# Altium PCB SFPP.PcbDoc (part 2 of 4) (continued)
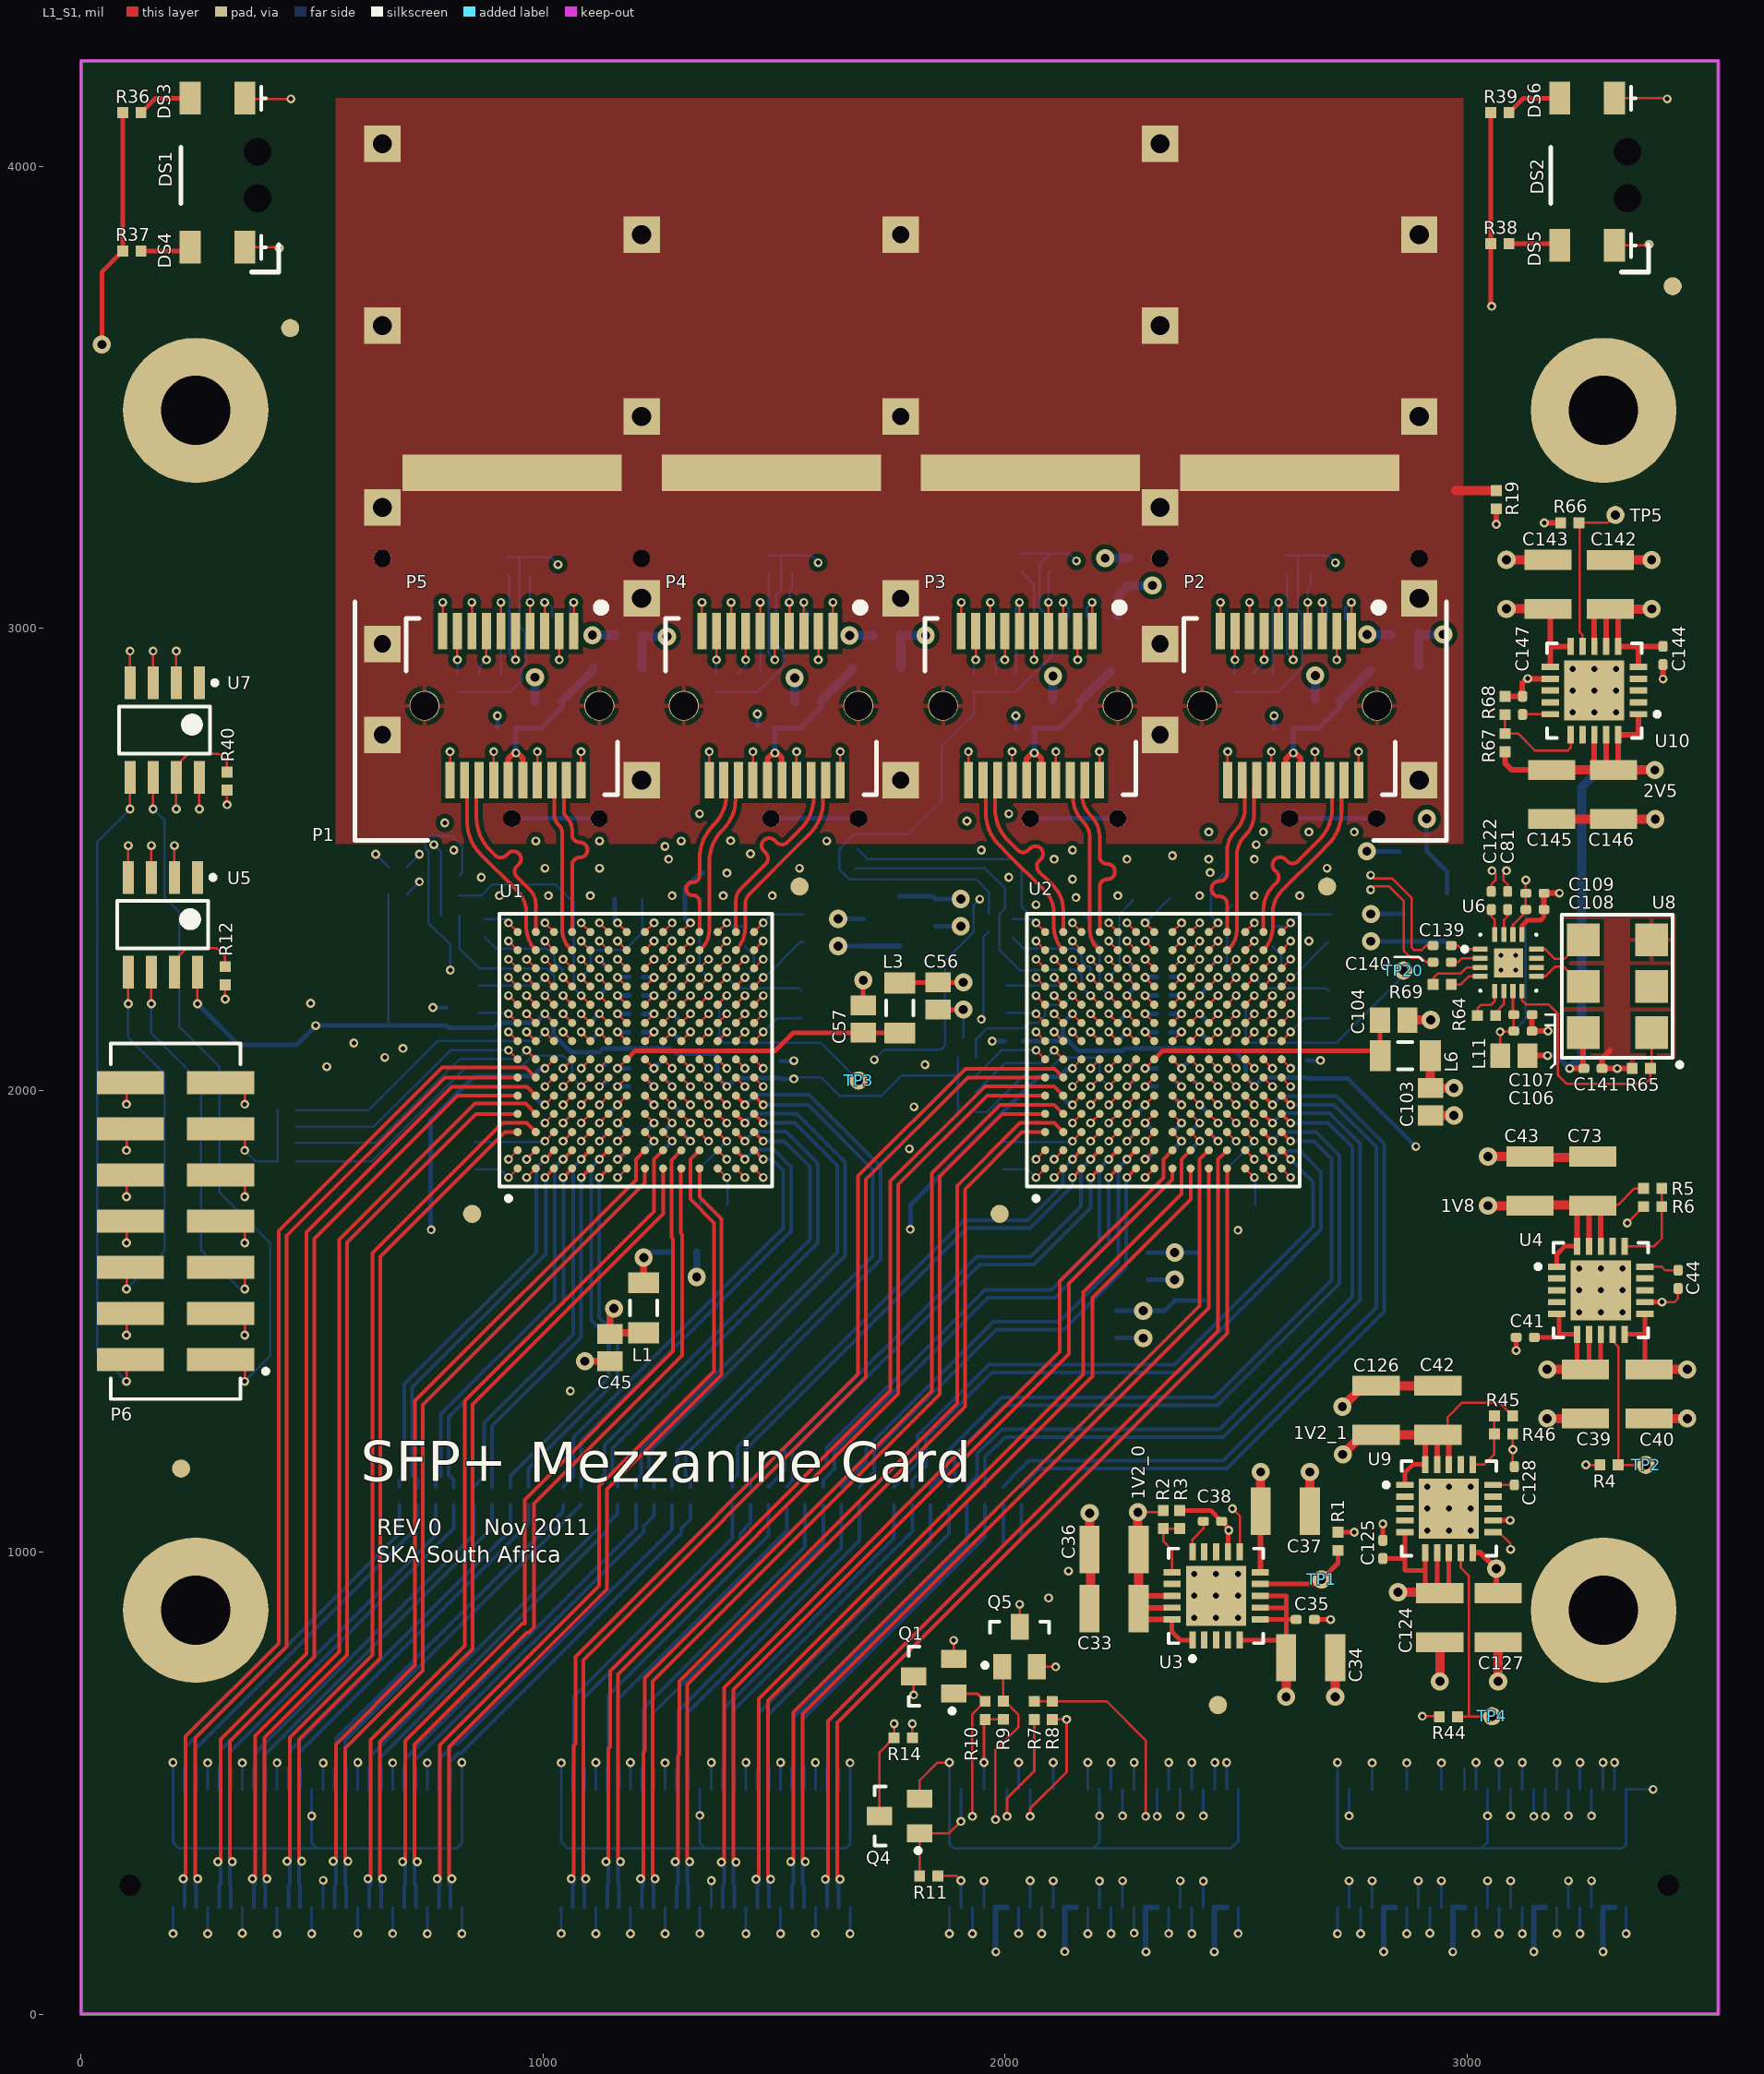
[diagram p0: L1_S1 view]
## Nets (pads, with @x,y where several pads share a name; then routed paths per layer and width w, separated by ;. In a path a pad name is that pad's centre, name@x,y a point inside that pad or via, vN(x,y) a via of type N, cw(c..) or ccw(c..) an arc to the next point about the centre after c; other vN are vias at no path point) (continued)
  L8_S4 w6: v3(199,545) 199.29,544.71 J1.AG11@199.29,486.5 199.29,371.71 212,359 J1.AGND@511,359 ; v3(199.29,174.71) J1.AG1@199.29,231.5 ; v3(274.29,174.29) J1.AG2@274.29,231.5 ; J1.AG12@274.29,486.5 v3(274.29,544.29) ; v3(349.29,175.29) J1.AG3@349.29,231.5 ; J1.AG13@349.29,486.5 v3(349.29,544.29) ; v3(424.29,174.29) J1.AG4@424.29,231.5 ; J1.AG14@424.29,486.5 v3(424.29,544.29) ; v3(499.29,174.29) J1.AG5@499.29,231.5 ; J1.AG15@499.29,486.5 v3(499.29,429) 499.29,370.71 J1.AGND@511,359 ; J1.AG6@524.29,231.5 v3(524.29,289.71) ; J1.AG16@524.29,486.5 v3(524.29,543.71) ; v3(599.29,174.71) J1.AG7@599.29,231.5 ; J1.AG17@599.29,486.5 v3(599.29,544.71) ; v3(674.29,174.71) J1.AG8@674.29,231.5 ; J1.AG18@674.29,486.5 v3(674.29,544.29) ; v3(749.29,174.29) J1.AG9@749.29,231.5 ; J1.AG19@749.29,486.5 v3(749.29,544.29) ; v3(824.29,174.29) J1.AG10@824.29,231.5 ; v3(824.29,544.71) J1.AG20@824.29,486.5 824.29,370.29 813,359 J1.AGND@511,359 ; v3(1039.29,174.71) J1.BG1@1039.29,231.5 ; v3(1039.29,544.29) J1.BG11@1039.29,486.5 1039.29,372.71 1053,359 J1.BGND@1351,359 ; v3(1114.29,174.29) J1.BG2@1114.29,231.5 ; J1.BG12@1114.29,486.5 v3(1114.29,544.71) ; v3(1189.29,174.29) J1.BG3@1189.29,231.5 ; J1.BG13@1189.29,486.5 v3(1189.29,544.71) ; v3(1264.29,174.29) J1.BG4@1264.29,231.5 ; J1.BG14@1264.29,486.5 v3(1264.29,544.29) ; v3(1339.29,174.71) J1.BG5@1339.29,231.5 ; J1.BG15@1339.29,486.5 v3(1339.29,430.29) 1339.29,370.71 J1.BGND@1351,359 ; J1.BG6@1364.29,231.5 v3(1364.29,289.29) ; J1.BG16@1364.29,486.5 v3(1364.29,544.71) ; v3(1439.29,174.29) J1.BG7@1439.29,231.5 ; J1.BG17@1439.29,486.5 v3(1439.29,544.71) ; v3(1514.29,174.29) J1.BG8@1514.29,231.5 ; J1.BG18@1514.29,486.5 v3(1514.29,544.71) ; v3(1589.29,174.71) J1.BG9@1589.29,231.5 ; J1.BG19@1589.29,486.5 v3(1589.29,544.71) ; R34.1@1618.11,3027.56 1627.44,3036.89 v2(1627.44,3055.71) ; v3(1664.29,174.29) J1.BG10@1664.29,231.5 ; v3(1664.29,544.29) J1.BG20@1664.29,486.5 1664.29,368.29 1655,359 J1.BGND@1351,359 ; v3(1879.29,174.29) J1.CG1@1879.29,231.5 ; v3(1879.29,544.71) J1.CG11@1879.29,486.5 1879.29,368.71 1889,359 J1.CGND@2191,359 ; J1.CGND@1898,359 J1.CGND@2191,359 ; J1.C1@1904.29,231.5 v3(1904.29,289.29) ; v3(1929.29,174.29) J1.C2@1929.29,231.5 ; J1.CG2@1954.29,231.5 v3(1954.29,288.71) ; J1.CG12@1954.29,486.5 v3(1954.29,544.71) ; v3(2029.29,174.71) J1.CG3@2029.29,231.5 ; J1.CG13@2029.29,486.5 v3(2029.29,544.71) ; J1.C5@2054.29,231.5 v3(2054.29,289.29) ; v3(2079.29,174.29) J1.C6@2079.29,231.5 ; J1.CG4@2104.29,231.5 v3(2104.29,288.71) ; J1.CG14@2104.29,486.5 v3(2104.29,544.71) ; R26.1@2177.17,3023.62 2177.17,3044.41 v2(2188.46,3055.71) ; v3(2179.29,174.29) J1.CG5@2179.29,231.5 ; J1.CG15@2179.29,486.5 v3(2179.29,544.71) ; J1.CG6@2204.29,231.5 v3(2204.29,288.29) ; J1.CG16@2204.29,486.5 v3(2204.29,429.29) 2204.29,372.29 J1.CGND@2191,359 ; v3(2229.29,174.29) J1.C9@2229.29,231.5 ; J1.C25@2229.29,486.5 v3(2229.29,544.71) ; J1.C10@2254.29,231.5 v3(2254.29,288.71) ; v3(2254.29,429.29) J1.C26@2254.29,486.5 ; v3(2279.29,175.71) J1.CG7@2279.29,231.5 ; J1.CG17@2279.29,486.5 v3(2279.29,544.71) ; v3(2354.29,174.71) J1.CG8@2354.29,231.5 ; J1.CG18@2354.29,486.5 v3(2354.29,544.71) ; J1.C13@2379.29,231.5 v3(2379.29,288.71) ; v3(2379.29,429.29) J1.C29@2379.29,486.5 ; v3(2404.29,174.29) J1.C14@2404.29,231.5 ; J1.C30@2404.29,486.5 v3(2404.29,544.71) ; J1.CG9@2429.29,231.5 v3(2429.29,288.29) ; v3(2429.29,429.29) J1.CG19@2429.29,486.5 ; v3(2504.29,174.71) J1.CG10@2504.29,231.5 ; J1.CG20@2504.29,486.5 2504.29,374.29 2489,359 J1.CGND@2191,359 ; v3(2719.29,174.29) J1.DG1@2719.29,231.5 ; v3(2719.29,544.71) J1.DG11@2719.29,486.5 2719.29,372.71 2733,359 J1.DGND@3031,359 ; R27.1@2736.22,3019.69 2736.22,3042.44 v2(2749.48,3055.71) ; J1.D1@2744.29,231.5 v3(2744.29,288.71) ; v3(2769.29,174.29) J1.D2@2769.29,231.5 ; J1.DG2@2794.29,231.5 v3(2794.29,288.71) ; J1.DG12@2794.29,486.5 v3(2794.29,544.29) ; v3(2869.29,174.29) J1.DG3@2869.29,231.5 ; J1.DG13@2869.29,486.5 v3(2869.29,544.29) ; J1.D5@2894.29,231.5 v3(2894.29,288.71) ; v3(2919.29,175.29) J1.D6@2919.29,231.5 ; J1.DG4@2944.29,231.5 v3(2944.29,288.71) ; J1.DG14@2944.29,486.5 v3(2944.29,544.29) ; v3(3019.29,174.71) J1.DG5@3019.29,231.5 ; J1.DG15@3019.29,486.5 v3(3019.29,544.71) ; J1.DG6@3044.29,231.5 v3(3044.29,288.71) ; J1.DG16@3044.29,486.5 v3(3044.29,429.29) 3044.29,372.29 J1.DGND@3031,359 ; v3(3069.29,174.29) J1.D9@3069.29,231.5 ; J1.D25@3069.29,486.5 v3(3069.29,544.71) ; J1.D10@3094.29,231.5 v3(3094.29,288.71) ; v3(3094.29,429.29) J1.D26@3094.29,486.5 ; v3(3119.29,174.29) J1.DG7@3119.29,231.5 ; J1.DG17@3119.29,486.5 v3(3119.29,544.71) ; v3(3194.29,174.71) J1.DG8@3194.29,231.5 ; J1.DG18@3194.29,486.5 v3(3194.29,544.71) ; J1.D13@3219.29,231.5 v3(3219.29,288.71) ; v3(3219.29,429.29) J1.D29@3219.29,486.5 ; v3(3244.29,174.29) J1.D14@3244.29,231.5 ; J1.D30@3244.29,486.5 v3(3244.29,544.71) ; J1.DG9@3269.29,231.5 v3(3269.29,288.71) ; v3(3269.29,429.29) J1.DG19@3269.29,486.5 ; v3(3344.29,174.29) J1.DG10@3344.29,231.5 ; v3(3402.5,486.5) J1.DG20@3344.29,486.5 3344.29,367.29 3336,359 J1.DGND@3031,359
  L8_S4 w8: v1(761.6,2179.29) C70.1@790.38,2179.29
  L8_S4 w10: C82.1@901.57,2783.46 v3@901.57,2813.07 ; C60.1@977.27,1990.32 v1@999.08,1968.51 ; C50.1@1102,2106.32 1102.38,2106.32 v1(1122.05,2125.99) ; v1(1122.05,1889.76) 1142,1909.72 C63.1@1142,1910.32 ; v1(1122.05,2007.87) 1124.56,2007.87 C66.1@1141,2024.32 ; v1(1122.05,2283.47) 1122.05,2281.64 C49.1@1141,2262.68 ; C75.2@1155.51,2413.39 1155.51,2368.11 v1(1161.42,2362.21) ; v1(1161.42,1850.39) 1164.08,1850.39 C64.1@1183,1869.32 ; v1(1161.42,2007.87) 1161.86,2008.32 C59.1@1186,2008.32 ; v1(1161.42,2125.99) 1162.09,2125.32 C67.1@1186,2125.32 ; v1(1161.42,2244.1) 1162.01,2244.68 C114.1@1187,2244.68 ; C65.1@1216,2125.32 1239.49,2125.32 v1(1240.16,2125.99) ; C111.1@1216,2244.68 1239.57,2244.68 v1(1240.16,2244.1) ; C54.1@1220,1869.32 1240.16,1889.47 v1(1240.16,1889.76) ; C55.1@1220,2028.03 v1(1240.16,2007.87) v1@1239.6,2007.32 ; C110.1@1260,1870.32 C110.1@1260.08,1870.32 v1(1279.53,1889.76) ; C53.1@1260.32,2028.03 1279.53,2008.82 v1(1279.53,2007.87) ; v1(1279.53,2125.99) 1279.53,2125.79 C52.1@1299,2106.32 ; C68.1@1299,1909.32 1318.55,1889.76 v1(1318.9,1889.76) ; C51.1@1299,2264.68 1300.12,2264.68 v1(1318.9,2283.47) ; v1(1318.9,2362.21) 1307.09,2374.02 1307.09,2437.01 1340.55,2470.47 C74.2@1346.46,2470.47 ; C136.1@1464.57,2787.4 v3@1464.57,2817 ; C69.1@1515,2063.68 v3@1542.68,2063.68 ; v4(1638.71,2370.99) C48.1@1693.43,2370.99 ; C47.1@1849.43,2354.94 v4(1904.14,2354.94) ; v3@1972.31,2106.3 C93.1@2000,2106.3 ; C85.1@2023.62,2783.46 v3@2023.62,2813.07 ; C91.1@2119,1990.32 2140.81,1968.5 v1(2145.67,1968.5) ; C58.1@2241,1463.47 v4(2298.89,1463.47) ; C96.1@2243.73,2106.32 2244.11,2106.32 v1(2263.78,2125.99) ; v1(2263.78,1889.76) 2283.73,1909.72 C62.1@2283.73,1910.32 ; v1(2263.78,2007.87) 2266.29,2007.87 C90.1@2282.73,2024.32 ; v1(2263.78,2283.47) 2263.78,2281.64 C97.1@2282.73,2262.68 ; v1(2303.15,1850.39) 2305.81,1850.39 C86.1@2324.73,1869.32 ; v1(2303.15,2007.87) 2303.59,2008.32 C105.1@2327.73,2008.32 ; v1(2303.15,2244.1) 2303.74,2244.68 C98.1@2328.73,2244.68 ; v1@2303.82,2125.32 C87.1@2327.73,2125.32 ; C61.1@2308.87,1589.96 v4(2366.76,1589.96) ; C88.1@2357.73,2125.32 v1@2381.22,2125.32 ; C130.1@2357.73,2244.68 2381.3,2244.68 v1(2381.89,2244.1) ; C101.1@2361.73,1869.32 2381.89,1889.47 v1(2381.89,1889.76) ; C100.1@2364.33,2024.32 v1@2380.77,2007.87 ; v1@2381.33,2007.32 v1(2381.89,2007.87) ; C89.1@2401.73,1870.32 2401.81,1870.32 v1(2421.26,1889.76) ; C102.1@2401.82,2027.32 v1(2421.26,2007.87) ; v1(2421.26,2125.99) 2421.26,2125.79 C131.1@2440.73,2106.32 ; C129.1@2440.73,1909.32 2460.28,1889.76 v1(2460.63,1889.76) ; C99.1@2440.73,2264.68 2441.85,2264.68 v1(2460.63,2283.47) ; C133.1@2582.68,2783.46 v3@2582.68,2813.07 ; C92.1@2654.46,2064.4 v3@2682.14,2064.4 ; v4(2782.86,2517.2) C94.1@2853.47,2517.2 ; v4(2791.75,2381.48) C95.1@2862.36,2381.48
  L8_S4 w15: v4@1332.76,1595.55 C46.1@1332.76,1650
  L8_S4 w20: C83.1@982.28,2842.52 v6(982.28,2893.7) ; v6(1106.82,2985) C84.1@1158,2985 ; C137.1@1544.56,2841.1 v6(1544.56,2892.28) ; v6(1663.39,2984.25) C138.1@1714.57,2984.25 ; C123.1@2103.61,2845.04 v6(2103.61,2896.22) ; v6(2216.54,3151.57) C132.1@2267.72,3151.57 ; C134.1@2671.26,2846.46 v6(2671.26,2897.64) ; v9(2783.78,2986.56) C135.1@2834.96,2986.56
  other v1: 2066.93,2401.57 2153.54,2417.32 905.51,2421.26 1011.81,2421.26 1102.36,2421.26 1279.53,2421.26 1389.76,2421.26 1496.06,2421.26 2244.09,2421.26 2421.26,2421.26 2539.37,2421.26 2637.8,2421.26 866.14,2460.63 2007.87,2460.63 1398,2470 1003.94,2480.32 1122.05,2480.32 1555.12,2480.32 2696.85,2480.32 2106.3,2500 2263.78,2500 2440.94,2500 2539.37,2500 1448.82,2511.81 807.09,2519.68 1948.82,2519.68 2145.67,2519.68 984.25,2539.37 1122.05,2539.37 1299.21,2539.37 1614.17,2539.37 1406,2540 2440.94,2559.06 2559.06,2559.06 2657.48,2559.06 2755.91,2559.06 787.4,2578.74 1917.32,2582.68 1338.58,2598.43 2007.87,2598.43
  other v2: 3099,1222 3131,2891
  other v3: 2682.46,2064.72 1972,2105.98 901.06,2810.58 2023.11,2810.58 2582.16,2810.58 1464.05,2814.52
  other v4: 1090.55,1413.39 1332.67,1595.55
  other v5: 2409.45,858.27 2456.69,858.27 2503.94,858.27 2409.45,905.51 2456.69,905.51 2503.94,905.51 2409.45,952.76 2456.69,952.76 2503.94,952.76 2913.39,1047.24 2960.63,1047.24 3007.87,1047.24 2913.39,1094.49 2960.63,1094.49 3007.87,1094.49 2913.39,1141.73 2960.63,1141.73 3007.87,1141.73 3242.13,1519.69 3289.37,1519.69 3336.61,1519.69 3242.13,1566.93 3289.37,1566.93 3336.61,1566.93 3242.13,1614.17 3289.37,1614.17 3336.61,1614.17 3228.07,2817.76 3275.32,2817.76 3322.56,2817.76 3228.07,2865 3275.32,2865 3322.56,2865 3228.07,2912.24 3275.32,2912.24 3322.56,2912.24
  other v7: 3073.5,2260 3105,2260 3073.5,2291.5 3105,2291.5
  other v10: 2484.25,1047.24
LED_LINK0: DS3.1 U1.D5 | length 2817.1
  L1_S1 w5: DS3.1@354.33,4147.24 355.91,4145.67 v2(454.33,4145.67) ; v1(1043.31,1968.5) U1.D5@1062.99,1988.19
  L3_S2 w3.94: 781.03,1948.82 1023.62,1948.82 v1(1043.31,1968.5)
  L3_S2 w5: v2(532,2051) 550,2033 696.85,2033 781.03,1948.82
  L6_S3 w5: v2(454.33,4145.67) 532,4068 v2(532,2051)
LED_LINK1: DS4.1 U1.K5 | length 2705.8
  L1_S1 w5: DS4.1@354.33,3824.41 427.56,3824.41 v2(429.13,3822.83) ; U1.K5@1299.21,1988.19 v1(1318.9,1968.5)
  L3_S2 w5: v2(497,2188) 515,2170 745.15,2170 847.15,2068 1175.61,2068 1201,2042.61 1201,1997 1211,1987 1300.4,1987 v1(1318.9,1968.5)
  L6_S3 w5: v2(429.13,3822.83) 497,3754.97 v2(497,2188)
LED_LINK2: DS5.1 U2.D5 | length 3318
  L1_S1 w5: v1(2185.04,1968.5) U2.D5@2204.72,1988.19 ; DS5.1@3318.9,3828.35 3391.34,3828.35 v2(3393.7,3830.71)
  L3_S2 w5: v1(2145.67,2456.69) 2432.57,2456.69 2436.46,2452.8 2451.54,2452.8 2480.54,2481.8 2546.91,2481.8 2563.62,2498.51 2704.39,2498.51 2713.88,2489.02 3013.02,2489.02 3056,2532 3441,2532 3467,2558 3467,3757.41 v2(3393.7,3830.71)
  L6_S3 w5: v1(2145.67,2456.69) 2125.98,2437.01 2125.98,2000 2137.98,1988 2165.54,1988 v1(2185.04,1968.5)
LED_LINK3: DS6.1 U2.K5 | length 3440.2
  L1_S1 w5: U2.K5@2440.94,1988.19 v1(2460.63,1968.5) ; DS6.1@3318.9,4147.24 3431.5,4147.24 v2(3433.07,4145.67)
  L3_S2 w5: v1(2460.63,1968.5) 2480.13,1988 2842,1988 2928,1902 3434,1902 3478,1946 3478,2458.31 3478,4100.74 v2(3433.07,4145.67)
MDIO_MODE_EN: J1.C17 Q4.1 R11.2 | length 250.6
  L1_S1 w5: R11.2@1814.96,299.21 Q4.1@1814.96,391.73 1878.73,391.73 v1(1904.29,417.29)
  L8_S4 w6: 1904.29,428.29 J1.C17@1904.29,486.5
MGT_RX_N0: J1.A7 U1.B3 | length 1974.2
  L1_S1 w8: v3(446.09,331) 451.69,336.6 451.69,598.73 631,778.04 631,1647.91 912.23,1929.13 964.57,1929.13 U1.B3@984.25,1909.45
  L8_S4 w8: v3(446.09,331) 451.69,325.4 451.69,280.74 449.29,278.34 J1.A7@449.29,231.5
MGT_RX_N1: J1.A5 U1.B4 | length 2082.9
  L1_S1 w8: v3(371.09,293) 376.69,298.6 376.69,602.73 559,785.04 559,1677.11 852.89,1971 962.07,1971 U1.B4@984.25,1948.82
  L8_S4 w8: v3(371.09,293) 376.69,287.4 376.69,280.74 374.29,278.34 J1.A5@374.29,231.5
MGT_RX_N2: J1.A3 U1.B5 | length 2178.3
  L1_S1 w8: v3(296.09,330) 301.69,335.6 301.69,594.73 488,781.04 488,1692.72 802.28,2007 965.44,2007 U1.B5@984.25,1988.19
  L8_S4 w8: v3(296.09,330) 301.69,324.4 301.69,280.74 299.29,278.34 J1.A3@299.29,231.5
MGT_RX_N3: J1.A1 U1.B6 | length 2270.3
  L1_S1 w8: v3@226.69,293 v3(221.09,293) 226.69,298.6 226.69,601.73 428,803.04 428,1695.72 781.28,2049 962.81,2049 U1.B6@984.25,2027.56
  L8_S4 w8: v3(221.09,293) 226.69,287.4 226.69,280.74 224.29,278.34 J1.A1@224.29,231.5
MGT_RX_N4: J1.A15 U1.L2 | length 1919.4
  L1_S1 w8: v3(771.09,293) 776.69,298.6 776.69,582.73 1121,927.04 1121,1143.04 1370.08,1392.12 1370.08,1712.92 1318.9,1764.1 1318.9,1850.39 U1.L2@1338.58,1870.08
  L8_S4 w8: v3(771.09,293) 776.69,287.4 776.69,280.74 774.29,278.34 J1.A15@774.29,231.5
MGT_RX_N5: J1.A13 U1.K2 | length 1905.7
  L1_S1 w8: v3(696.09,330) 701.69,335.6 701.69,591.97 955.76,846.04 960,846.04 960,1113.54 1281,1434.54 1281,1679 ; 1281,1670 1281,1679 ; U1.K2@1299.21,1870.08 1278,1848.87 1278,1682 1281,1679
  L8_S4 w8: v3(696.09,330) 701.69,324.4 701.69,280.74 699.29,278.34 J1.A13@699.29,231.5
MGT_RX_N6: J1.A11 U1.J2 | length 1906.5
  L1_S1 w8: v3(621.09,293) 626.69,298.6 626.69,593.73 831,798.04 831,1328.11 1240.16,1737.27 1240.16,1850.39 U1.J2@1259.84,1870.08
  L8_S4 w8: v3(621.09,293) 626.69,287.4 626.69,280.74 624.29,278.34 J1.A11@624.29,231.5
MGT_RX_N7: J1.A9 U1.H2 | length 1921.2
  L1_S1 w8: v3(546.09,331) 551.69,336.6 551.69,584.02 723,755.34 723,1328 1200.79,1805.79 1200.79,1850.39 U1.H2@1220.47,1870.08
  L8_S4 w8: v3(546.09,331) 551.69,325.4 551.69,280.74 549.29,278.34 J1.A9@549.29,231.5
MGT_RX_N8: J1.B7 U2.B3 | length 2112
  L1_S1 w8: v3(1286.09,330) 1291.69,335.6 1291.69,559.25 1294.89,562.45 1294.89,720.93 1896,1322.04 1896,1793.04 2032.09,1929.13 2106.3,1929.13 U2.B3@2125.98,1909.45
  L8_S4 w8: v3(1286.09,330) 1291.69,324.4 1291.69,280.74 1289.29,278.34 J1.B7@1289.29,231.5
MGT_RX_N9: J1.B5 U2.B4 | length 2213
  L1_S1 w8: v3@1216.69,293 v3(1211.09,293) 1216.69,298.6 1216.69,566.84 1219.89,570.04 1219.89,727.93 1841,1349.04 1841,1820.04 1989.46,1968.5 2106.3,1968.5 U2.B4@2125.98,1948.82
  L8_S4 w8: v3(1211.09,293) 1216.69,287.4 1216.69,280.74 1214.29,278.34 J1.B5@1214.29,231.5
MGT_RX_N10: J1.B3 U2.B5 | length 2297
  L1_S1 w8: v3(1136.09,330) 1141.69,335.6 1141.69,574.43 1144.89,577.63 1144.89,742.93 1752,1350.04 1752,1803.04 1956.83,2007.87 2106.3,2007.87 U2.B5@2125.98,1988.19
  L8_S4 w8: v3(1136.09,330) 1141.69,324.4 1141.69,280.74 1139.29,278.34 J1.B3@1139.29,231.5
MGT_RX_N11: J1.B1 U2.B6 | length 2390.8
  L1_S1 w8: v3(1061.09,293) 1066.69,298.6 1066.69,582.02 1069.89,585.22 1069.89,773.93 1682,1386.04 1682,1814.04 1913.98,2046.02 2107.52,2046.02 U2.B6@2125.98,2027.56
  L8_S4 w8: v3(1061.09,293) 1066.69,287.4 1066.69,280.74 1064.29,278.34 J1.B1@1064.29,231.5
MGT_RX_N12: J1.B15 U2.L2 | length 2001.9
  L1_S1 w8: v3(1611.09,292) 1616.69,297.6 1616.69,634.73 2460.63,1478.67 2460.63,1850.39 U2.L2@2480.31,1870.08
  L8_S4 w8: v3(1611.09,292) 1616.69,286.4 1616.69,280.74 1614.29,278.34 J1.B15@1614.29,231.5
MGT_RX_N13: J1.B13 U2.K2 | length 2016.7
  L1_S1 w8: v3(1536.09,330) 1541.69,335.6 1541.69,653.73 2421.26,1533.3 2421.26,1850.39 U2.K2@2440.94,1870.08
  L8_S4 w8: v3(1536.09,330) 1541.69,324.4 1541.69,280.74 1539.29,278.34 J1.B13@1539.29,231.5
MGT_RX_N14: J1.B11 U2.J2 | length 2037.1
  L1_S1 w8: v3@1466.69,292 v3(1461.09,292) 1466.69,297.6 1466.69,682.73 2169.29,1385.33 2169.29,1562.99 2381.89,1775.59 2381.89,1850.39 U2.J2@2401.57,1870.08
  L8_S4 w8: v3(1461.09,292) 1466.69,286.4 1466.69,280.74 1464.29,278.34 J1.B11@1464.29,231.5
MGT_RX_N15: J1.B9 U2.H2 | length 2051.8
  L1_S1 w8: v3@1391.69,329 v3(1386.09,329) 1391.69,334.6 1391.69,706.69 2118.5,1433.5 2118.5,1586.5 2342.52,1810.52 2342.52,1850.39 U2.H2@2362.2,1870.08
  L8_S4 w8: v3(1386.09,329) 1391.69,323.4 1391.69,280.74 1389.29,278.34 J1.B9@1389.29,231.5
MGT_RX_P0: J1.A8 U1.A3 | length 1895.6
  L1_S1 w8: v3(477.49,331) 471.89,336.6 471.89,594.89 648,771 648,1640.13 917.32,1909.45 U1.A3@944.88,1909.45
  L8_S4 w8: J1.A8@474.29,231.5 474.29,278.34 471.89,280.74 471.89,325.4 v3(477.49,331)
MGT_RX_P1: J1.A6 U1.A4 | length 2003
  L1_S1 w8: v3(402.49,293) 396.89,298.6 396.89,598.89 576,778 576,1670.49 854.33,1948.82 U1.A4@944.88,1948.82
  L8_S4 w8: J1.A6@399.29,231.5 399.29,278.34 396.89,280.74 396.89,287.4 v3(402.49,293)
MGT_RX_P2: J1.A4 U1.A5 | length 2096.5
  L1_S1 w8: v3(327.49,330) 321.89,335.6 321.89,590.89 505,774 505,1678.23 814.96,1988.19 U1.A5@944.88,1988.19
  L8_S4 w8: J1.A4@324.29,231.5 324.29,278.34 321.89,280.74 321.89,324.4 v3(327.49,330)
MGT_RX_P3: J1.A2 U1.A6 | length 2183.1
  L1_S1 w8: v3(252.49,293) 246.89,298.6 246.89,597.89 445,796 445,1685.16 787.4,2027.56 U1.A6@944.88,2027.56
  L8_S4 w8: J1.A2@249.29,231.5 249.29,278.34 246.89,280.74 246.89,287.4 v3(252.49,293)
MGT_RX_P4: J1.A16 U1.L1 | length 1868.4
  L1_S1 w8: v3(802.49,293) 796.89,298.6 796.89,578.89 1138,920 1138,1136 1385.83,1383.83 1385.83,1721.21 1338.58,1768.46 U1.L1@1338.58,1830.71
  L8_S4 w8: J1.A16@799.29,231.5 799.29,278.34 796.89,280.74 796.89,287.4 v3(802.49,293)
MGT_RX_P5: J1.A14 U1.K1 | length 1848.9
  L1_S1 w8: v3(727.49,330) 721.89,335.6 721.89,583.89 964.04,826.04 968.28,826.04 980,837.76 980,1105.26 1301,1426.26 1301,1687.28 1298,1690.28 1298,1829.5 U1.K1@1299.21,1830.71
  L8_S4 w8: J1.A14@724.29,231.5 724.29,278.34 721.89,280.74 721.89,324.4 v3(727.49,330)
MGT_RX_P6: J1.A12 U1.J1 | length 1858.7
  L1_S1 w8: v3(652.49,293) 646.89,298.6 646.89,589.89 848,791 848,1320.44 1259.84,1732.28 U1.J1@1259.84,1830.71
  L8_S4 w8: J1.A12@649.29,231.5 649.29,278.34 646.89,280.74 646.89,287.4 v3(652.49,293)
MGT_RX_P7: J1.A10 U1.H1 | length 1873.5
  L1_S1 w8: v3(577.49,331) 571.89,336.6 571.89,575.66 740,743.77 740,1319 1220.47,1799.47 U1.H1@1220.47,1830.71
  L8_S4 w8: J1.A10@574.29,231.5 574.29,278.34 571.89,280.74 571.89,325.4 v3(577.49,331)
MGT_RX_P8: J1.B8 U2.A3 | length 2033.9
  L1_S1 w8: v3(1317.49,330) 1311.89,335.6 1311.89,713.89 1913,1315 1913,1786 2036.45,1909.45 U2.A3@2086.61,1909.45
  L8_S4 w8: J1.B8@1314.29,231.5 1314.29,278.34 1311.89,280.74 1311.89,324.4 v3(1317.49,330)
MGT_RX_P9: J1.B6 U2.A4 | length 2129.3
  L1_S1 w8: v3(1242.49,293) 1236.89,298.6 1236.89,720.89 1858,1342 1858,1813 1993.82,1948.82 U2.A4@2086.61,1948.82
  L8_S4 w8: J1.B6@1239.29,231.5 1239.29,278.34 1236.89,280.74 1236.89,287.4 v3(1242.49,293)
MGT_RX_P10: J1.B4 U2.A5 | length 2218.8
  L1_S1 w8: v3(1167.49,330) 1161.89,335.6 1161.89,735.89 1769,1343 1769,1796 1961.19,1988.19 U2.A5@2086.61,1988.19
  L8_S4 w8: J1.B4@1164.29,231.5 1164.29,278.34 1161.89,280.74 1161.89,324.4 v3(1167.49,330)
MGT_RX_P11: J1.B2 U2.A6 | length 2313.7
  L1_S1 w8: v3(1092.49,293) 1086.89,298.6 1086.89,766.89 1699,1379 1699,1807 1919.56,2027.56 U2.A6@2086.61,2027.56
  L8_S4 w8: J1.B2@1089.29,231.5 1089.29,278.34 1086.89,280.74 1086.89,287.4 v3(1092.49,293)
MGT_RX_P12: J1.B16 U2.L1 | length 1954.2
  L1_S1 w8: v3(1642.49,292) 1636.89,297.6 1636.89,630.89 2480.31,1474.31 U2.L1@2480.31,1830.71
  L8_S4 w8: J1.B16@1639.29,231.5 1639.29,278.34 1636.89,280.74 1636.89,286.4 v3(1642.49,292)
MGT_RX_P13: J1.B14 U2.K1 | length 1969
  L1_S1 w8: v3(1567.49,330) 1561.89,335.6 1561.89,649.89 2440.94,1528.94 U2.K1@2440.94,1830.71
  L8_S4 w8: J1.B14@1564.29,231.5 1564.29,278.34 1561.89,280.74 1561.89,324.4 v3(1567.49,330)
MGT_RX_P14: J1.B12 U2.J1 | length 1983.7
  L1_S1 w8: v3(1492.49,292) 1486.89,297.6 1486.89,678.89 2188.98,1380.98 2188.98,1551.18 2401.57,1763.78 U2.J1@2401.57,1830.71
  L8_S4 w8: J1.B12@1489.29,231.5 1489.29,278.34 1486.89,280.74 1486.89,286.4 v3(1492.49,292)
MGT_RX_P15: J1.B10 U2.H1 | length 1998.5
  L1_S1 w8: v3(1417.49,329) 1411.89,334.6 1411.89,702.85 2137.8,1428.75 2137.8,1581.75 2362.2,1806.16 U2.H1@2362.2,1830.71
  L8_S4 w8: J1.B10@1414.29,231.5 1414.29,278.34 1411.89,280.74 1411.89,323.4 v3(1417.49,329)
MGT_TX_AC_N0: C7.1 U1.F2 | length 847.7
  L1_S1 w8: v1(1122.05,1850.39) U1.F2@1141.73,1870.08
  L8_S4 w8: C7.1@929.13,1141.73 929.13,1165.35 1141.73,1377.95 1141.73,1421.26 1141.73,1464.57 1104,1502.3 1104,1832.35 v1(1122.05,1850.39)
MGT_TX_AC_N1: C5.1 U1.E2 | length 832.7
  L1_S1 w8: v1(1082.68,1850.39) U1.E2@1102.36,1870.08
  L8_S4 w8: C5.1@850.39,1141.73 872.76,1164.1 872.76,1279.81 1065,1472.04 1065,1803.64 1064.98,1832.69 v1(1082.68,1850.39)
MGT_TX_AC_N2: C3.1 U1.D2 | length 851.8
  L1_S1 w8: v1(1043.31,1850.39) U1.D2@1062.99,1870.08
  L8_S4 w8: C3.1@767.72,1141.73 767.72,1156.34 778.9,1167.53 778.9,1299.04 1027,1547.14 1025.61,1548.53 1025.61,1832.69 v1(1043.31,1850.39)
MGT_TX_AC_N3: C1.1 U1.C2 | length 867
  L1_S1 w8: v1(1003.94,1850.39) U1.C2@1023.62,1870.08
  L8_S4 w8: C1.1@688.98,1141.73 688.98,1156.34 700.16,1167.53 700.16,1364.2 985,1649.04 985,1831.46 v1(1003.94,1850.39)
MGT_TX_AC_N4: C15.1 U1.P5 | length 1189.9
  L1_S1 w8: U1.P5@1456.69,1988.19 v1(1476.38,1968.5)
  L8_S4 w8: C15.1@1279.53,1141.73 1279.53,1156.34 1290.71,1167.53 1290.71,1217.04 1714,1640.33 1714,1828 1573.5,1968.5 v1(1476.38,1968.5)
MGT_TX_AC_N5: C13.1 U1.P4 | length 1102.6
  L1_S1 w8: U1.P4@1456.69,1948.82 v1(1476.38,1929.13)
  L8_S4 w8: C13.1@1200.79,1141.73 1200.79,1156.34 1211.97,1167.53 1211.97,1224.04 1637,1649.07 1637,1837 1544.87,1929.13 v1(1476.38,1929.13)
MGT_TX_AC_N6: C11.1 U1.P3 | length 1033.7
  L1_S1 w8: U1.P3@1456.69,1909.45 v1(1476.38,1889.76)
  L8_S4 w8: C11.1@1122.05,1141.73 1122.05,1156.34 1133.23,1167.53 1133.23,1232.27 1578,1677.04 1578,1834 1522.24,1889.76 v1(1476.38,1889.76)
MGT_TX_AC_N7: C9.1 U1.P2 | length 963.3
  L1_S1 w8: U1.P2@1456.69,1870.08 v1(1476.38,1850.39)
  L8_S4 w8: C9.1@1043.31,1141.73 1065.68,1164.1 1065.68,1247.72 1520,1702.04 1520,1826 1495.61,1850.39 v1(1476.38,1850.39)
MGT_TX_AC_N8: C23.1 U2.F2 | length 1076.3
  L1_S1 w8: v1(2263.78,1850.39) U2.F2@2283.46,1870.08
  L8_S4 w8: C23.1@1645.67,1141.73 1700,1196.06 1700,1225.04 1973.96,1499 2117.03,1499 2245,1626.97 2245,1831.61 v1(2263.78,1850.39)
MGT_TX_AC_N9: C21.1 U2.E2 | length 1093.2
  L1_S1 w8: v1(2224.41,1850.39) U2.E2@2244.09,1870.08
  L8_S4 w8: C21.1@1566.93,1141.73 1614,1188.8 1614,1226.04 1955.96,1568 2100,1568 2204,1672 2204,1829.98 v1(2224.41,1850.39)
MGT_TX_AC_N10: C19.1 U2.D2 | length 1093.7
  L1_S1 w8: v1(2185.04,1850.39) U2.D2@2204.72,1870.08
  L8_S4 w8: C19.1@1488.19,1141.73 1523.13,1176.67 1523.13,1225.17 1937.96,1640 2055,1640 2164,1749 2164,1829.35 v1(2185.04,1850.39)
MGT_TX_AC_N11: C17.1 U2.C2 | length 1121.9
  L1_S1 w8: v1(2145.67,1850.39) U2.C2@2165.35,1870.08
  L8_S4 w8: C17.1@1409.45,1141.73 1409.45,1156.34 1420.63,1167.53 1420.63,1228.04 1911.59,1719 2049,1719 2125,1795 2125,1829.72 v1(2145.67,1850.39)
MGT_TX_AC_N12: C31.1 U2.P5 | length 1566.5
  L1_S1 w8: U2.P5@2598.43,1988.19 v1(2618.11,1968.5)
  L8_S4 w8: C31.1@1996.06,1141.73 2012.72,1158.39 2012.72,1159.72 2051,1198 2471.62,1198 2803,1529.38 2803,1877 2711.5,1968.5 v1(2618.11,1968.5)
MGT_TX_AC_N13: C29.1 U2.P4 | length 1538.9
  L1_S1 w8: U2.P4@2598.43,1948.82 v1(2618.11,1929.13)
  L8_S4 w8: C29.1@1917.32,1141.73 1939.69,1164.1 1939.69,1212.73 1992.96,1266 2464.12,1266 2751,1552.88 2751,1877 2698.87,1929.13 v1(2618.11,1929.13)
MGT_TX_AC_N14: C27.1 U2.P3 | length 1471.8
  L1_S1 w8: U2.P3@2598.43,1909.45 v1(2618.11,1889.76)
  L8_S4 w8: C27.1@1838.58,1141.73 1874.13,1177.28 1874.13,1217.17 1991.96,1335 2453,1335 2707,1589 2707,1851 2668.24,1889.76 v1(2618.11,1889.76)
MGT_TX_AC_N15: C25.1 U2.P2 | length 1368.6
  L1_S1 w8: U2.P2@2598.43,1870.08 v1(2618.11,1850.39)
  L8_S4 w8: C25.1@1759.84,1141.73 1811,1192.89 1811,1253.04 1963.96,1406 2367,1406 2667,1706 2667,1801.5 v1(2618.11,1850.39)
MGT_TX_AC_P0: C8.1 U1.F1 | length 794.2
  L1_S1 w8: v1(1122.05,1811.02) U1.F1@1141.73,1830.71
  L8_S4 w8: C8.1@968.5,1141.73 968.5,1181.1 1161.42,1374.02 1161.42,1467.46 1121,1507.87 1121,1809.98 v1(1122.05,1811.02)
MGT_TX_AC_P1: C6.1 U1.E1 | length 777
  L1_S1 w8: v1(1082.68,1811.02) U1.E1@1102.36,1830.71
  L8_S4 w8: C6.1@889.76,1141.73 889.76,1272.76 1082,1465 1082,1810.35 v1(1082.68,1811.02)
MGT_TX_AC_P2: C4.1 U1.D1 | length 804.8
  L1_S1 w8: v1(1043.31,1811.02) U1.D1@1062.99,1830.71
  L8_S4 w8: C4.1@807.09,1141.73 807.09,1156.34 795.9,1167.53 795.9,1292 1044,1540.1 1044,1810.33 v1(1043.31,1811.02)
MGT_TX_AC_P3: C2.1 U1.C1 | length 822.3
  L1_S1 w8: v1(1003.94,1811.02) U1.C1@1023.62,1830.71
  L8_S4 w8: C2.1@728.35,1141.73 728.35,1156.34 717.16,1167.53 717.16,1357.16 1006,1646 1006,1808.96 v1(1003.94,1811.02)
MGT_TX_AC_P4: C16.1 U1.N5 | length 1268.2
  L1_S1 w8: U1.N5@1417.32,1988.19 v1(1437.01,1968.5)
  L8_S4 w8: C16.1@1318.9,1141.73 1318.9,1156.34 1307.71,1167.53 1307.71,1210 1731,1633.29 1731,1835.04 1576.04,1990 1458.51,1990 v1(1437.01,1968.5)
MGT_TX_AC_P5: C14.1 U1.N4 | length 1179.5
  L1_S1 w8: U1.N4@1417.32,1948.82 v1(1437.01,1929.13)
  L8_S4 w8: C14.1@1240.16,1141.73 1240.16,1156.34 1228.97,1167.53 1228.97,1217 1654,1642.03 1654,1844.04 1549.04,1949 1456.88,1949 v1(1437.01,1929.13)
MGT_TX_AC_P6: C12.1 U1.N3 | length 1110.9
  L1_S1 w8: U1.N3@1417.32,1909.45 v1(1437.01,1889.76)
  L8_S4 w8: C12.1@1161.42,1141.73 1161.42,1156.34 1150.23,1167.53 1150.23,1225.23 1595,1670 1595,1841.04 1526.04,1910 1457.25,1910 v1(1437.01,1889.76)
MGT_TX_AC_P7: C10.1 U1.N2 | length 1032.1
  L1_S1 w8: U1.N2@1417.32,1870.08 v1(1437.01,1850.39)
  L8_S4 w8: C10.1@1082.68,1141.73 1082.68,1240.68 1537,1695 1537,1834 1500,1871 1457.62,1871 v1(1437.01,1850.39)
MGT_TX_AC_P8: C24.1 U2.F1 | length 1024.2
  L1_S1 w8: v1(2263.78,1811.02) U2.F1@2283.46,1830.71
  L8_S4 w8: C24.1@1685.04,1141.73 1717,1173.69 1717,1218 1981,1482 2127.59,1482 2262.02,1616.43 2262.02,1809.26 v1(2263.78,1811.02) v1@2262.73,1809.98
MGT_TX_AC_P9: C22.1 U2.E1 | length 1038.5
  L1_S1 w8: v1(2224.41,1811.02) U2.E1@2244.09,1830.71
  L8_S4 w8: C22.1@1606.3,1141.73 1606.3,1156.34 1631,1181.04 1631,1219 1963,1551 2107.04,1551 2224.41,1668.37 v1(2224.41,1811.02) v1@2223.73,1810.35
MGT_TX_AC_P10: C20.1 U2.D1 | length 1039
  L1_S1 w8: v1(2185.04,1811.02) U2.D1@2204.72,1830.71
  L8_S4 w8: C20.1@1527.56,1141.73 1540.13,1154.3 1540.13,1218.13 1945,1623 2062.04,1623 2185.04,1746 v1(2185.04,1811.02) v1@2185.73,1810.33
MGT_TX_AC_P11: C18.1 U2.C1 | length 1077.3
  L1_S1 w8: v1(2145.67,1811.02) U2.C1@2165.35,1830.71
  L8_S4 w8: C18.1@1448.82,1141.73 1448.82,1156.34 1437.63,1167.53 1437.63,1221 1918.63,1702 2054,1702 2145.67,1793.67 v1(2145.67,1811.02) v1@2147.73,1808.96
MGT_TX_AC_P12: C32.1 U2.N5 | length 1624.2
  L1_S1 w8: U2.N5@2559.06,1988.19 v1(2578.74,1968.5)
  L8_S4 w8: C32.1@2035.43,1141.73 2074.7,1181 2480.21,1181 2820,1520.79 2820,1884.04 2717.04,1987 2597.24,1987 v1(2578.74,1968.5)
MGT_TX_AC_P13: C30.1 U2.N4 | length 1607.6
  L1_S1 w8: U2.N4@2559.06,1948.82 v1(2578.74,1929.13)
  L8_S4 w8: C30.1@1956.69,1141.73 1956.69,1205.69 2000,1249 2471.44,1249 2768,1545.56 2768,1884.04 2702.04,1950 2599.61,1950 v1(2578.74,1929.13)
MGT_TX_AC_P14: C28.1 U2.N3 | length 1539
  L1_S1 w8: U2.N3@2559.06,1909.45 v1(2578.74,1889.76)
  L8_S4 w8: C28.1@1877.95,1141.73 1891.13,1154.91 1891.13,1210.13 1999,1318 2460.04,1318 2724,1581.96 2724,1858.04 2673.04,1909 2597.98,1909 v1(2578.74,1889.76)
MGT_TX_AC_P15: C26.1 U2.N2 | length 1443
  L1_S1 w8: U2.N2@2559.06,1870.08 v1(2578.74,1850.39)
  L8_S4 w8: C26.1@1799.21,1141.73 1799.21,1156.34 1828,1185.13 1828,1246 1971,1389 2374.04,1389 2684,1698.96 2684,1823 2638.91,1868.09 2596.44,1868.09 v1(2578.74,1850.39)
MGT_TX_N0: C7.2 J1.A23 | length 814.6
  L8_S4 w8: J1.A23@449.29,486.5 449.29,533.34 451.69,535.74 451.69,569.73 929.13,1047.18 C7.2@929.13,1102.36
MGT_TX_N1: C5.2 J1.A21 | length 813.1
  L8_S4 w8: J1.A21@374.29,486.5 374.29,533.99 376.69,536.39 376.69,564.69 850.39,1038.39 C5.2@850.39,1102.36
MGT_TX_N2: C3.2 J1.A19 | length 809.9
  L8_S4 w8: J1.A19@299.29,486.5 299.29,533.99 301.69,536.39 301.69,570.69 767.72,1036.72 C3.2@767.72,1102.36
MGT_TX_N3: C1.2 J1.A17 | length 808.4
  L8_S4 w8: J1.A17@224.29,486.5 224.29,533.99 226.69,536.39 226.69,577.69 689,1040 C1.2@689,1102.34
MGT_TX_N4: C15.2 J1.A31 | length 829
  L8_S4 w8: J1.A31@774.29,486.5 774.29,533.99 776.69,536.39 776.69,553.26 807.84,584.41 814.41,584.41 1279.53,1049.53 C15.2@1279.53,1102.36